# Altium PCB EVK-NORA-W40.PcbDoc (part 3 of 5) (continued)
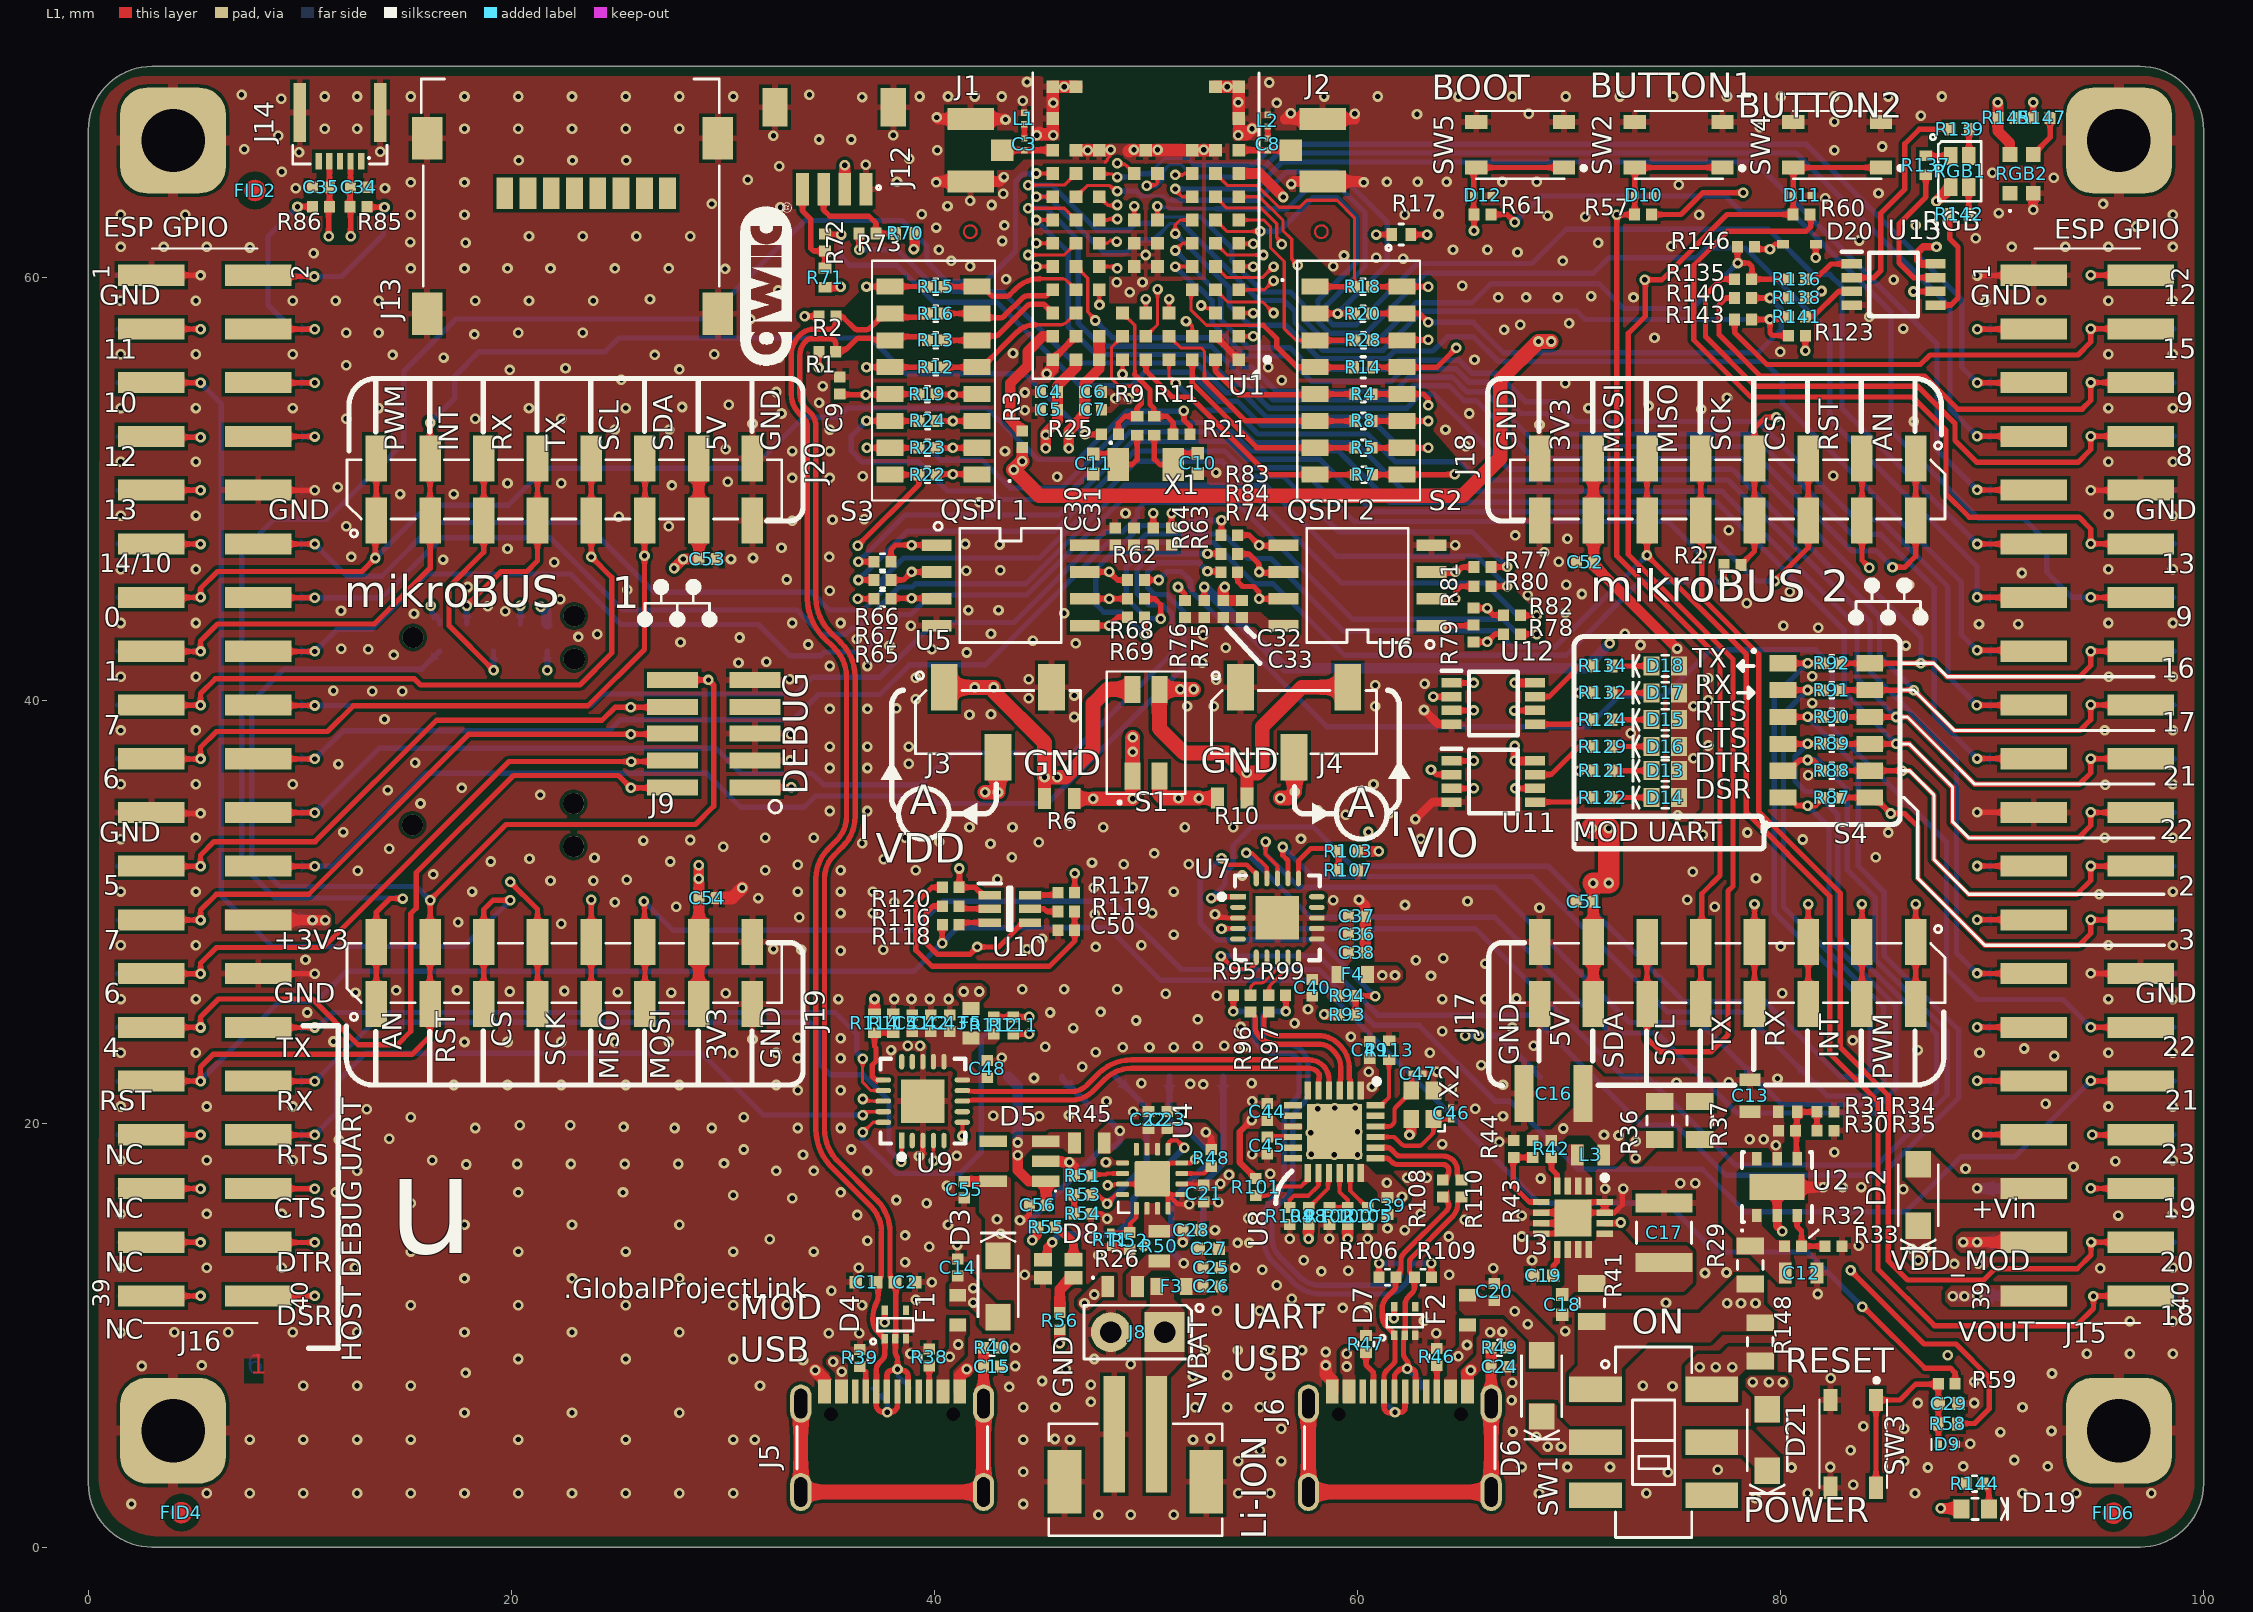
[diagram p0: L1 view]
## Nets (pads, with @x,y where several pads share a name; then routed paths per layer and width w, separated by ;. In a path a pad name is that pad's centre, name@x,y a point inside that pad or via, vN(x,y) a via of type N, cw(c..) or ccw(c..) an arc to the next point about the centre after c; other vN are vias at no path point) (continued)
  L4 w0.15: v1(47.803,58.725) 48.888,57.64 50.63,57.64 52.975,59.985 52.975,61.73 56.595,65.349 71.339,65.349 73.685,63.003 73.685,61.671 74.625,60.731 74.625,47.396 79.319,42.702 81.717,42.702 83.083,41.336 83.083,37.617 85.077,35.624 85.788,35.624 86.462,34.95 86.462,33.503 85.776,32.817 85.776,23.014 v1(89.292,19.498)
  L6 w0.25: v1(89.292,19.498) 89.296,19.494 90.396,19.494 TP77.1@90.4,19.49
D8: R15.2 S3.8 U1.D8 | length 6.9
  L1 w0.15: 44.976,59.965 45.998,59.965 cw(c45.998,59.561) 46.283,59.847 ; 46.283,59.847 U1.D8@46.69,59.44
  L1 w0.25: R15.2@40.459,59.588 41.997,59.588 S3.8@42.002,59.593 42.195,59.593 cw(c42.195,59.443) 42.301,59.55 42.646,59.204 ; 42.647,59.204 ccw(c42.823,59.381) 42.823,59.131 43.381,59.131 ccw(c43.381,59.381) 43.558,59.204 43.855,59.501 cw(c44.974,58.382) 44.976,59.965
D8/IO12: J15.2 R57.1 TP45.1 | length 32.4
  L1 w0.25: R57.1@73.908,63 75.294,63 76.327,64.033 v1(78.232,64.033) ; v1@94.844,60.138 94.852,60.13 J15.2@97.025,60.13
  L4 w0.15: v1(78.232,64.033) 79.781,64.033 81.356,62.459 84.303,62.459 88.087,58.674 88.087,57.48 88.798,56.769 91.297,56.769 v1(94.666,60.138)
  L6 w0.15: v1(94.666,60.138) v1@94.674,60.13
  L6 w0.25: v1@94.674,60.13 TP45.1@98.6,60.13
D8/IO12/SW1: D10.1 J17.5 R15.1 R57.2 S3.9 SW2.1 SW2.2 | length 94.1
  L1 w0.25: v1(36.787,59.593) S3.9@37.902,59.593 39.654,59.593 R15.1@39.659,59.588 ; R57.2@73.091,63.017 73.065,62.992 v1(72.263,62.992) 72.263,46.862 77.14,41.985 77.14,31.75 76.276,30.886 76.276,28.651 J17.5@76.23,28.605 J17.5@76.23,25.675 ; R57.2@73.108,63 73.108,63.895 D10.1@73.113,63.9 73.113,65.215 SW2.2@73.109,65.219 SW2.1@77.259,65.219
  L4 w0.15: v1(36.787,59.593) 39.103,57.277 46.152,57.277 48.514,54.915 49.682,54.915 53.325,58.557 53.325,61.656 56.69,65.02 70.235,65.02 v1(72.263,62.992)
D9: R16.2 S3.7 U1.D9 | length 5.7
  L1 w0.255: R16.2@40.459,58.318 S3.7@41.997,58.318 ; S3.7@42.002,58.323 42.132,58.193 ccw(c42.312,58.374) 42.312,58.119 43.115,58.119 ccw(c43.115,58.374) 43.294,58.193 44.137,59.036 cw(c44.425,58.75) 44.425,59.155 45.18,59.155 cw(c45.18,58.75) 45.191,59.155 ccw(c45.199,59.41) 45.379,59.229 U1.D9@45.59,59.44
D9/IO12: J16.7 R2.2 TP91.1 | length 37.9
  L1 w0.25: J16.7@2.975,52.51 3.012,52.473 v1(5.3,52.473) ; v1(33.858,58.191) R2.2@34.534,58.191
  L4 w0.15: v1(5.3,52.473) 5.964,53.137 10.766,53.137 12.192,54.563 30.23,54.563 v1(33.858,58.191)
  L6 w0.25: TP91.1@1.4,52.51 1.418,52.492 5.282,52.492 v1(5.3,52.473)
D9/IO12/USB_n: C1.1 D4.1 J5.A7 J5.B7 R2.1 R16.1 S3.10 TP2.1 | length 64.3
  L1 w0.255: 35.05,18.048 cw(c36.966,19.764) 34.394,19.764 34.394,19.769 34.394,31.608 cw(c36.366,31.609) 34.974,33.007 35.369,33.401 ccw(c34.242,34.534) 35.839,34.534 35.839,41.146 ccw(c33.972,41.148) 35.288,42.473 34.707,43.054 cw(c34.991,43.343) 34.694,43.068 cw(c36.73,44.912) 33.989,45.106 ccw(c33.735,45.124) 33.99,45.124 33.99,52.975 ccw(c33.463,52.976) 33.833,53.352 33.623,53.562 cw(c34.563,54.509) 33.228,54.512 33.228,56.337 cw(c34.558,56.341) 33.57,57.231 ccw(c33.38,57.402) 33.577,57.24 cw(c34.297,56.653) 34.297,57.582 34.298,57.582 35.046,57.582 ccw(c35.045,57.837) 35.292,57.771 ccw(c34.884,57.88) 35.306,57.88 35.306,58.163 R2.1@35.334,58.191 35.531,58.191 cw(c35.531,57.936) 35.71,58.117 36.198,57.63 36.199,57.629 ccw(c36.378,57.81) 36.377,57.555 36.748,57.555 ccw(c36.747,57.81) 36.804,57.562 ccw(c36.718,57.931) 36.987,57.663 37.647,58.323 S3.10@37.902,58.323 38.085,58.141 39.481,58.141 R16.1@39.659,58.318 ; 35.051,18.047 ccw(c35.349,18.321) 35.064,18.033 cw(c34.885,17.852) 35.067,18.03 36.994,16.104 cw(c35.768,14.891) 37.492,14.894 37.492,14.889 cw(c35.768,14.891) 37.492,14.887 ccw(c37.897,14.887) 37.492,14.885 37.492,12.948 ; 37.492,12.947 ccw(c38.318,12.936) 37.492,12.925 37.492,12.867 cw(c37.238,12.889) 37.419,12.71 C1.1@37.232,12.522 37.338,12.416 37.338,11.923 cw(c36.367,11.923) 37.273,11.574 ccw(c37.501,11.416) 37.237,11.501 cw(c36.997,11.663) 37.221,11.479 ccw(c38.881,10.792) 37.084,10.792 37.084,10.721 ccw(c37.84,10.721) 37.305,10.186 D4.1@37.613,9.878 ; D4.1@37.651,9.878 D4.1@37.651,9.841 37.651,9.161 cw(c37.197,9.161) 37.518,8.84 37.389,8.712 ccw(c37.726,8.375) 37.25,8.375 J5.B7@37.25,7.355 37.25,6.674 ccw(c37.58,6.707) 37.58,6.375 v1(37.77,6.375) 37.87,6.375 ccw(c37.908,6.715) 38.25,6.715 J5.A7@38.25,7.355
  L6 w0.2: TP2.1@37.084,7.493 37.77,6.807 v1(37.77,6.375)
DC_ind: L3.1 U3.1 U3.2 U3.3
DSR: R122.1 U11.5 | length 2.8
  L1 w0.25: U11.5@68.396,35.22 70.323,35.22 70.536,35.433 R122.1@71.15,35.433
DTR: R121.1 U11.2 | length 9.5
  L1 w0.25: v1(63.475,36.754) 63.708,36.52 U11.2@64.446,36.52 ; v1(70.485,36.703) R121.1@71.15,36.703
  L4 w0.15: v1(63.475,36.754) 64.414,37.694 65.964,37.694 66.962,36.695 70.477,36.695 v1(70.485,36.703)
E1/SPI2_CS0: R78.2 R79.2 U1.E1 | length 31.4
  L1 w0.15: U1.E1@54.39,60.54 v1(55.07,60.54)
  L1 w0.25: R79.2@65.484,42.793 v1(66.129,42.793) 66.507,43.17 66.895,43.17 R78.2@66.906,43.159
  L3 w0.15: v1(55.07,60.54) 55.473,60.137 cw(c55.28,59.944) 55.553,59.944 55.553,59.739 ccw(c55.802,59.739) 55.625,59.564 55.753,59.436 ; 55.754,59.435 ccw(c55.937,59.62) 55.937,59.36 56.055,59.36 cw(c56.055,59.046) 56.277,59.268 59.787,55.758 cw(c59.347,55.317) 59.969,55.317 59.969,52.899 ccw(c60.621,52.899) 60.16,52.438 61.023,51.575 cw(c58.054,48.603) 62.255,48.603 62.255,44.575 cw(c61.954,44.575) 62.168,44.362 61.862,44.056 cw(c61.646,44.272) 61.861,44.056 cw(c61.646,44.272) 61.646,43.967 60.097,43.967 ccw(c60.097,43.576) 59.82,43.853 59.688,43.721 ccw(c59.929,43.48) 59.588,43.48 59.588,43.253 ccw(c59.953,43.255) 59.693,42.999 59.815,42.877 ccw(c60.021,43.087) 60.021,42.793 v1(66.129,42.793)
E1_O: J16.18 R78.1 TP102.1 | length 69.1
  L1 w0.25: J16.18@8,39.796 8.008,39.788 v1(10.7,39.788) ; R78.1@67.706,43.159 v1(68.474,43.159)
  L6 w0.25: TP102.1@9.6,39.81 9.611,39.799 10.689,39.799 v1(10.7,39.788) 23.76,39.788 24.308,40.335 33.452,40.335 34.244,41.127 37.419,41.127 40.001,43.709 43.76,43.709 48.057,48.006 48.914,48.006 49.601,48.693 49.601,49.043 49.958,49.399 54.233,49.399 59.768,43.864 66.88,43.864 67.585,43.159 v1(68.474,43.159)
E2/SPI2_MISO: R80.1 U1.E2 U6.2 | length 25.3
  L1 w0.15: U1.E2@53.29,60.54 53.815,60.015 55.502,60.015 56.027,60.54 v1(56.032,60.54)
  L1 w0.25: U6.2@63.819,44.833 v1(64.616,44.833) 64.643,44.86 64.643,45.161 64.905,45.423 R80.1@65.503,45.423
  L3 w0.15: v1@56.152,60.495 56.152,60.426 60.659,55.918 ; 60.66,55.917 cw(c60.363,55.621) 60.782,55.621 60.782,53.531 ccw(c61.489,53.531) 60.989,53.031 65.358,48.663 ; v1(64.616,44.833) ccw(c64.616,45.922) 65.216,45.013 65.248,45.045 ccw(c64.624,45.669) 65.507,45.669 65.507,48.304 ccw(c65.001,48.305) 65.358,48.662
E2_O: J16.14 R80.2 TP98.1 | length 68.9
  L1 w0.25: J16.14@8.025,44.89 8.033,44.882 v1(10.7,44.882) ; R80.2@66.303,45.423 v1(67.071,45.423)
  L6 w0.25: TP98.1@9.6,44.89 9.604,44.886 10.696,44.886 v1(10.7,44.882) 13.868,44.882 16.709,47.722 21.823,47.722 25.248,44.298 33.503,44.298 34.641,43.159 35.807,43.159 36.103,43.455 36.394,43.455 38.324,45.385 38.948,45.385 39.105,45.542 44.318,45.542 48.975,50.199 55.668,50.199 59.025,46.842 65.653,46.842 v1(67.071,45.423)
E3/RMII_RXD1: J15.19 TP63.1 U1.E3 | length 56.8
  L1 w0.15: v1@51.41,60.503 51.447,60.54 U1.E3@52.19,60.54
  L1 w0.25: v1(89.292,37.278) 91.967,37.278 J15.19@91.975,37.27
  L6 w0.25: v1(51.384,60.54) 52.403,59.521 52.53,59.521 53.132,58.919 53.132,57.864 54.689,56.307 56.639,56.307 57.829,55.118 61.595,55.118 62.181,55.704 64.648,55.704 65.277,55.075 66.235,55.075 67.721,53.59 68.961,53.59 69.923,52.627 78.64,52.627 83.388,47.879 84.734,47.879 87.274,45.339 87.274,39.296 89.296,37.274 90.371,37.274 TP63.1@90.375,37.27
E7_O: J15.31 TP75.1 U1.E7 | length 83.6
  L1 w0.15: U1.E7@47.79,60.54 48.553,60.54 v1(48.641,60.452)
  L1 w0.25: v1(89.292,22.038) 91.967,22.038 J15.31@91.975,22.03
  L4 w0.15: v1(48.641,60.452) 48.726,60.452 48.904,60.274 50.503,60.274 51.057,59.72 51.813,59.72 52.675,60.582 52.675,61.854 56.47,65.649 71.561,65.649 75.54,61.671 75.54,48.616 79.604,44.552 81.636,44.552 84.074,42.113 84.074,37.338 85.488,35.924 85.996,35.924 86.995,34.925 86.995,24.335 v1(89.292,22.038)
  L6 w0.25: v1(89.292,22.038) 89.296,22.034 90.396,22.034 TP75.1@90.4,22.03
E8/IO2/WAKE_HOST: J15.24 J18.1 R88.2 S4.8 TP67.1 U1.E8 | length 85.3
  L1 w0.15: U1.E8@46.69,60.54 47.244,59.986 47.244,58.395 47.6,58.039 v1(47.6,57.988)
  L1 w0.25: R88.2@82.823,36.703 S4.8@84.219,36.703 v1(85.75,36.703) 86.106,36.703 87.249,35.56 87.249,32.512 88.9,30.861 94.005,30.861 94.666,31.522 v1(94.666,32.198) ; v1(85.293,46.33) 85.877,46.33 86.39,46.842 J18.1@86.39,48.535 J18.1@86.39,51.465 ; v1@94.877,32.19 J15.24@97.025,32.19
  L4 w0.15: v1(85.293,46.33) 85.293,41.199 84.684,40.589 84.684,37.77 v1(85.75,36.703)
  L6 w0.25: v1(47.6,57.988) 48.411,57.177 53.253,57.177 54.652,55.778 55.03,55.778 56.173,54.636 61.748,54.636 62.416,55.304 64.483,55.304 65.162,54.625 66,54.625 68.591,52.033 78.446,52.033 83.388,47.092 84.543,47.092 85.293,46.341 v1(85.293,46.33) ; v1(94.666,32.198) 94.674,32.19 TP67.1@98.6,32.19
E9: R19.2 S3.4 U1.E9 | length 10.4
  L1 w0.15: v1(44.806,60.54) U1.E9@45.59,60.54
  L1 w0.25: R19.2@40.065,54.508 40.091,54.483 41.972,54.483 S3.4@42.002,54.513
  L3 w0.15: v1(40.871,54.483) 40.871,55.971 cw(c41.517,55.971) 40.981,56.331 cw(c41.105,56.246) 40.987,56.338 cw(c42.748,54.955) 41.056,56.423 cw(c41.169,56.324) 41.062,56.429 44.589,59.956 ; 44.589,59.956 ccw(c44.065,60.479) 44.806,60.479 v1(44.806,60.54)
E9/IO14/IO10: C9.2 J16.11 R19.1 S3.13 TP94.1 | length 44.3
  L1 w0.25: J16.11@3,47.426 3.008,47.418 5.139,47.418 v1@5.148,47.426 ; C9.2@35.512,54.515 35.544,54.483 v1(36.757,54.483) 37.872,54.483 S3.13@37.902,54.513 37.907,54.508 R19.1@39.265,54.508
  L4 w0.15: v1(5.3,47.418) 8.659,50.777 12.169,50.777 12.573,51.181 31.115,51.181 32.487,52.553 33.858,52.553 34.922,53.617 35.89,53.617 v1(36.757,54.483)
  L6 w0.25: TP94.1@1.4,47.43 1.439,47.391 1.471,47.424 5.241,47.424 5.274,47.391 v1(5.3,47.418)
F1/SPI2_CLK: R84.2 U1.F1 U6.6 | length 31.1
  L1 w0.15: U1.F1@54.39,61.64 54.41,61.62 v1(55.07,61.62) v1@55.093,61.62
  L1 w0.25: R84.2@54.336,46.952 54.876,46.952 55.347,46.482 55.347,46.132 55.314,46.099 v1(55.347,46.099) 55.391,46.055 U6.6@56.178,46.055
  L3 w0.15: 53.183,59.923 cw(c53.357,60.096) 53.111,60.096 53.111,60.276 cw(c53.476,60.276) 53.218,60.533 ; 53.183,59.923 ccw(c53.378,60.118) 53.378,59.842 54.062,59.842 cw(c54.062,59.401) 54.374,59.713 55.444,58.644 cw(c55.189,58.389) 55.549,58.389 55.549,57.432 ccw(c56.289,57.432) 55.766,56.909 56.667,56.007 56.763,55.911 cw(c56.321,55.468) 56.947,55.468 56.947,54.93 cw(c56.296,54.93) 56.757,54.471 55.833,53.547 ccw(c56.523,52.86) 55.549,52.86 55.549,48.809 cw(c55.081,48.809) 55.412,48.478 55.016,48.082 ccw(c55.375,47.724) 54.868,47.724 54.868,47.16 ccw(c55.288,47.16) 54.991,46.863 ccw(c55.298,47.17) 55.298,46.736 58.713,46.736 cw(c58.713,46.217) 59.082,46.581 59.148,46.516 cw(c58.883,46.25) 59.258,46.25 59.258,46.193 59.258,46.105 59.258,46.049 cw(c58.915,46.049) 59.158,45.806 59.068,45.716 cw(c58.832,45.952) 58.829,45.618 56.083,45.618 cw(c56.083,46.235) 55.648,45.799 ; 53.218,60.533 54.138,61.453 cw(c54.542,61.048) 54.542,61.62 v1(55.07,61.62) v1@55.093,61.62 ; v1(55.347,46.099) 55.647,45.799
F1_BP_USB_N: R99.1 R106.1 | length 24.1
  L1 w0.25: R99.1@56.603,26.092 56.615,26.079 v1@56.615,25.279 ; v1(61.019,13.41) 61.019,12.757 R106.1@61.025,12.751
  L6 w0.255: 55.587,23.991 ccw(c55.82,24.194) 55.594,23.983 cw(c55.299,23.706) 55.618,23.956 ccw(c56.04,24.28) 56.042,23.748 56.32,23.748 cw(c56.323,22.45) 56.324,23.748 ; 55.586,23.992 cw(c55.779,24.159) 55.524,24.157 55.524,25.049 cw(c55.779,25.048) 55.546,25.151 cw(c55.812,25.033) 55.812,25.324 v1(56.615,25.324) ; 56.31,16.228 56.304,16.223 ccw(c57.154,15.379) 55.956,15.382 55.956,14.624 ccw(c57.254,14.627) 56.331,13.714 57.251,12.794 ; 56.31,16.229 56.566,16.484 ccw(c56.087,16.964) 56.567,16.485 ccw(c55.653,17.399) 56.945,17.399 56.945,20.268 cw(c57.468,20.266) 57.097,20.634 57.353,20.89 ccw(c56.625,21.623) 57.656,21.568 ccw(c57.402,21.581) 57.657,21.581 57.657,22.739 ; 56.325,23.748 56.614,23.748 ccw(c56.605,24.002) 56.624,23.748 cw(c56.706,22.847) 57.344,23.489 57.347,23.486 cw(c56.604,22.74) 57.657,22.74 ; 57.252,12.794 57.259,12.787 ccw(c58.27,13.805) 58.268,12.37 61.35,12.37 ccw(c61.35,13.023) 61.812,12.562 ; v1(61.019,13.41) 61.794,13.41 cw(c61.794,13.151) 61.977,13.334 cw(c61.794,13.152) 62.052,13.152 62.052,12.943 cw(c61.712,12.943) 61.953,12.702 61.813,12.562
F1_BP_USB_P: R95.1 R109.1 | length 25.2
  L1 w0.25: v1(54.127,25.324) 54.127,26.08 R95.1@54.139,26.092 ; v1(63.483,13.41) 63.483,12.757 R109.1@63.489,12.751
  L6 w0.255: v1(54.127,25.324) 54.864,25.324 cw(c54.864,25.069) 55.119,25.069 55.119,24.353 cw(c54.864,24.354) 55.116,24.313 ; 55.116,24.312 ccw(c55.82,24.194) 55.293,23.713 cw(c55.104,23.541) 55.304,23.699 ccw(c56.04,24.28) 56.041,23.343 56.751,23.343 cw(c56.75,23.088) 56.78,23.341 cw(c56.712,22.784) 56.793,23.339 cw(c56.755,23.087) 56.806,23.337 cw(c56.706,22.847) 57.062,23.198 ; 56.54,20.265 56.54,17.399 cw(c55.653,17.399) 56.282,16.774 56.023,16.515 ccw(c57.154,15.379) 55.551,15.379 55.551,14.627 ccw(c57.254,14.627) 56.055,13.418 56.966,12.507 ccw(c58.27,13.805) 58.27,11.965 61.35,11.965 ccw(c61.35,13.023) 62.101,12.278 62.237,12.414 ccw(c61.712,12.943) 62.457,12.943 62.457,13.15 ccw(c62.202,13.151) 62.457,13.152 cw(c62.712,13.155) 62.712,13.41 v1(63.483,13.41) ; 56.54,20.266 cw(c57.468,20.266) 56.81,20.919 ; 56.81,20.92 57.065,21.175 cw(c57.353,20.89) 57.067,21.177 ccw(c56.625,21.623) 57.251,21.575 ccw(c56.997,21.594) 57.252,21.594 57.252,22.738 ccw(c56.604,22.74) 57.252,22.739 ccw(c56.604,22.74) 57.063,23.197
F1_O: J16.22 R84.1 TP105.1 | length 58.2
  L1 w0.25: J16.22@8.025,34.73 8.033,34.722 v1(10.7,34.722) ; v1@52.857,46.965 v1(52.908,46.965) 53.523,46.965 R84.1@53.536,46.952
  L6 w0.25: TP105.1@9.6,34.73 9.604,34.726 10.696,34.726 v1(10.7,34.722) 13.748,37.77 29.659,37.77 30.852,36.576 34.214,36.576 34.747,36.043 39.345,36.043 40.843,37.541 46.533,37.541 51.227,42.236 51.227,44.11 50.786,44.552 50.114,44.552 49.581,45.085 49.581,46.228 50.317,46.965 v1(52.908,46.965)
F1_USB_N: R97.1 U8.2 | length 7
  L1 w0.25: R97.1@55.803,25.292 55.788,25.292 55.648,25.153 ccw(c55.825,24.976) 55.575,24.976 55.575,24.568 ccw(c55.825,24.57) 55.609,24.445 ccw(c55.92,24.626) 55.749,24.309 55.752,24.308 ccw(c56.289,25.34) 56.278,24.176 58.255,24.176 cw(c58.255,23.926) 58.279,24.175 cw(c58.15,22.837) 59.188,23.691 cw(c58.174,22.678) 59.28,23.589 cw(c58.174,22.678) 59.607,22.68 cw(c58.174,22.678) 59.607,22.678 59.607,22.544 59.607,22.13 59.653,22.085 U8.2@59.653,21.584
F1_USB_P: R96.1 U8.3 | length 7
  L1 w0.25: R96.1@54.939,25.292 55.051,25.18 55.096,25.135 cw(c54.919,24.958) 55.169,24.958 55.169,24.508 ccw(c55.92,24.626) 55.555,23.959 ccw(c55.92,24.626) 55.557,23.958 ccw(c56.289,25.34) 55.56,23.956 ccw(c56.289,25.34) 56.277,23.776 ; 56.278,23.776 58.248,23.776 cw(c58.15,22.837) 58.889,23.425 cw(c58.15,22.837) 58.898,23.413 cw(c58.209,22.691) 58.973,23.334 cw(c58.174,22.678) 59.207,22.683 59.207,22.123 59.178,22.094 59.178,21.609 U8.3@59.153,21.584
F2/SPI2_HD: R74.1 U1.F2 U6.7 | length 31.2
  L1 w0.15: U1.F2@53.29,61.64 53.843,61.087 v1(55.553,61.087) v1@55.575,61.087
  L1 w0.25: R74.1@54.336,46.089 54.336,45.641 54.562,45.415 55.093,45.415 55.347,45.161 v1(55.347,44.829) U6.7@56.178,44.829
  L3 w0.15: 54.616,60.915 ccw(c54.875,60.656) 54.508,60.656 54.508,60.402 ccw(c54.878,60.402) 54.617,60.14 55.791,58.966 ccw(c55.944,59.119) 55.944,58.903 56.049,58.903 cw(c56.049,58.656) 56.223,58.83 59.359,55.694 cw(c58.929,55.264) 59.538,55.264 59.538,52.569 ccw(c60.007,52.569) 59.674,52.238 ; 54.616,60.915 54.707,61.006 cw(c54.902,60.811) 54.902,61.087 v1(55.553,61.087) ; v1(55.347,44.829) ccw(c56.508,45.99) 56.508,44.348 ; 56.509,44.348 59.008,44.348 ccw(c59.01,46.692) 60.664,45.032 ; 59.675,52.237 60.586,51.326 cw(c57.54,48.278) 61.849,48.278 61.849,47.611 cw(c58.451,47.611) 60.671,45.039 ccw(c60.77,44.926) 60.665,45.032
F2_O: J16.24 R74.2 TP107.1 | length 59.8
  L1 w0.25: J16.24@8.025,32.19 8.033,32.182 v1(10.7,32.182) ; v1(52.908,46.126) 53.498,46.126 R74.2@53.536,46.089
  L6 w0.25: TP107.1@9.625,32.19 9.629,32.186 10.696,32.186 v1(10.7,32.182) 11.532,32.182 15.934,36.585 29.227,36.585 30.836,34.976 33.833,34.976 34.366,35.509 39.776,35.509 40.128,35.158 45.343,35.158 51.791,41.605 51.791,44.221 50.978,45.034 50.394,45.034 50.068,45.36 50.068,46.105 50.495,46.533 52.502,46.533 v1(52.908,46.126)
F2_USB_N: U8.4 U9.9 | length 18.9
  L1 w0.2: U9.9@41.315,21.582 41.575,21.582 41.617,21.539 41.859,21.539
  L1 w0.25: 41.859,21.539 46.506,21.539 ccw(c46.503,22.513) 47.192,21.824 47.748,22.381 ; 47.749,22.381 cw(c49.316,20.818) 49.316,23.031 57.712,23.031 cw(c57.715,22.099) 58.572,22.468 cw(c57.642,22.069) 58.652,22.115 cw(c58.403,22.105) 58.653,22.106 U8.4@58.653,21.584
F2_USB_P: U8.5 U9.8 | length 18.3
  L1 w0.2: U9.8@41.315,21.082 41.575,21.082 41.625,21.133 41.859,21.133
  L1 w0.25: 41.859,21.133 46.488,21.133 ccw(c46.488,22.529) 47.475,21.542 48.032,22.099 ; 48.033,22.1 cw(c49.316,20.818) 49.316,22.631 57.71,22.631 ; 57.711,22.631 cw(c57.715,22.099) 58.167,22.381 cw(c57.955,22.249) 58.186,22.154 58.172,22.119 ccw(c58.403,22.023) 58.153,22.024 U8.5@58.153,21.584
F3/RMII_RXD0: J15.17 TP61.1 U1.F3 | length 55
  L1 w0.15: v1(51.384,61.3) 51.724,61.64 U1.F3@52.19,61.64
  L1 w0.25: v1(89.281,39.802) J15.17@91.944,39.802
  L6 w0.25: v1(51.384,61.3) 53.532,59.152 53.532,58.029 54.854,56.707 56.805,56.707 57.836,55.677 61.519,55.677 61.946,56.104 64.814,56.104 65.418,55.5 66.598,55.5 67.945,54.153 69.351,54.153 70.291,53.213 78.943,53.213 83.591,48.565 84.76,48.565 87.909,45.415 87.909,41.173 v1(89.281,39.802) 89.285,39.806 90.396,39.806 TP61.1@90.4,39.81
F7: R22.2 S3.1 U1.F7 | length 18.1
  L1 w0.15: U1.F7@47.79,61.64 48.164,61.64 48.296,61.773 48.565,61.773 v1(48.616,61.722)
  L1 w0.25: R22.2@40.071,50.698 40.097,50.724 41.981,50.724 S3.1@42.002,50.703
  L3 w0.15: v1(40.871,50.724) 41.722,51.574 ; 41.722,51.575 ccw(c41.329,51.967) 41.885,51.967 41.885,56.557 cw(c42.518,56.557) 42.07,57.005 ; 42.07,57.005 46.623,61.559 cw(c47.14,61.042) 47.14,61.773 48.565,61.773 v1(48.616,61.722)
F7/IO9: J15.14 R61.1 TP58.1 | length 47.1
  L1 w0.25: R61.1@66.313,63 67.073,63 v1(67.437,62.636) ; v1@94.877,44.89 J15.14@97.025,44.89
  L6 w0.25: v1(67.437,62.636) 68.676,63.875 77.4,63.875 78.156,63.119 80.493,63.119 85.22,58.392 85.22,52.779 89.357,48.641 91.491,48.641 92.583,47.549 92.583,46.101 93.786,44.898 v1(94.666,44.898) 94.67,44.894 98.596,44.894 TP58.1@98.6,44.89
F7/IO9/BOOTn: D12.1 R22.1 R61.2 R117.1 S3.16 SW5.1 SW5.2 | length 119.2
  L1 w0.25: v1(36.373,47.346) 39.271,50.244 R22.1@39.271,50.698 37.907,50.698 S3.16@37.902,50.703 ; R117.1@46.631,30.937 v1(46.631,31.848) ; v1(65.507,62.23) 65.513,62.236 65.513,62.89 65.493,62.91 D12.1@65.493,63.9 65.493,65.096 SW5.2@65.616,65.219 SW5.1@69.766,65.219
  L4 w0.15: v1(46.631,31.848) 46.152,31.369 43.942,31.369 40.644,28.071 39.671,28.071 38.938,28.804 24.359,28.804 23.292,29.87 23.292,31.42 20.599,34.112 20.599,37.211 28.981,45.593 31.928,45.593 33.68,47.346 v1(36.373,47.346) 38.1,45.618 39.395,45.618 42.85,42.164 50.14,42.164 51.181,43.205 51.181,44.094 49.632,45.644 49.632,49.555 53.925,53.849 53.925,61.407 55.205,62.687 56.617,62.687 57.582,63.652 64.084,63.652 v1(65.507,62.23)
F8: R23.2 S3.2 U1.F8 | length 16.2
  L1 w0.15: v1(44.425,61.087) 46.137,61.087 U1.F8@46.69,61.64
  L1 w0.25: R23.2@40.078,51.968 41.997,51.968 S3.2@42.002,51.973
  L3 w0.15: 40.365,54.026 40.446,53.945 ccw(c40.594,54.093) 40.448,53.943 ccw(c40.594,54.093) 40.594,53.883 ccw(c40.765,54.51) 40.765,53.861 41.013,53.861 cw(c41.013,53.565) 41.221,53.775 ; 40.365,54.026 cw(c40.744,54.405) 40.208,54.405 40.208,54.955 cw(c42.748,54.955) 40.952,56.751 43.858,59.657 ccw(c43.653,59.861) 43.942,59.861 43.942,60.443 cw(c44.332,60.443) 44.056,60.718 v1(44.425,61.087) ; v1(40.871,51.968) 41.389,52.486 ; 41.222,53.774 41.406,53.59 cw(c41.233,53.416) 41.478,53.416 41.478,52.701 cw(c41.174,52.701) 41.39,52.487
F8/IO21/URT0_RTS: J15.20 J17.1 R23.1 R90.2 S3.15 S4.10 TP64.1 | length 95.2
  L1 w0.25: v1(36.807,51.968) 37.897,51.968 S3.15@37.902,51.973 37.907,51.968 R23.1@39.278,51.968 ; R90.2@82.823,39.243 S4.10@84.219,39.243 v1(85.471,39.243) 86.004,39.243 89.179,36.068 94.132,36.068 94.666,36.602 v1(94.666,37.278) ; J17.1@86.39,25.675 J17.1@86.39,28.605 v1(86.39,30.399) ; v1@94.877,37.27 J15.20@97.025,37.27
  L3 w0.15: v1(85.471,39.243) 86.55,38.164 86.55,34.275 85.725,33.45 85.725,31.064 v1(86.39,30.399)
  L6 w0.25: v1(36.807,51.968) 39.726,51.968 40.31,51.384 42.266,51.384 43.582,50.068 46.015,50.068 49.11,53.162 54.199,53.162 55.137,52.224 59.917,52.224 62.23,49.911 77.241,49.911 83.617,43.536 83.617,41.097 v1(85.471,39.243) ; v1(94.666,37.278) 94.674,37.27 TP64.1@98.625,37.27
F9: R24.2 S3.3 U1.F9 | length 13.9
  L1 w0.15: v1@44.933,61.646 44.938,61.64 U1.F9@45.59,61.64
  L1 w0.25: R24.2@40.071,53.238 v1(40.871,53.238) 41.997,53.238 S3.3@42.002,53.243
  L3 w0.15: v1(40.871,53.238) cw(c40.871,54.104) 40.26,53.492 40.14,53.612 cw(c40.956,54.428) 39.802,54.428 39.802,55.361 cw(c42.342,55.361) 40.546,57.157 42.395,59.007 ccw(c41.788,59.614) 42.647,59.614 cw(c43.566,59.614) 42.916,60.264 44.211,61.559 cw(c44.406,61.365) 44.406,61.64 v1(44.806,61.64) v1@44.927,61.64
F9/IO22/URT0_CTS: J15.22 J17.2 R24.1 R89.2 S3.14 S4.9 TP65.1 | length 98.4
  L1 w0.25: v1(36.787,53.243) S3.14@37.902,53.243 37.907,53.238 R24.1@39.271,53.238 ; R89.2@82.823,37.973 S4.9@84.219,37.973 v1(85.471,37.973) 86.081,37.973 88.138,35.916 88.138,34.265 88.875,33.528 94.082,33.528 94.666,34.112 v1(94.666,34.738) ; J17.2@83.85,25.675 J17.2@83.85,28.605 v1(83.85,30.399) ; v1@94.877,34.73 J15.22@97.025,34.73
  L3 w0.15: v1(83.85,30.399) 83.82,30.429 83.82,36.246 v1@85.547,37.973
  L6 w0.25: v1(36.787,53.243) 36.068,52.524 36.068,51.816 36.576,51.308 39.243,51.308 40.619,49.932 42.676,49.932 43.078,49.53 46.043,49.53 49.244,52.73 54.065,52.73 54.971,51.824 59.098,51.824 61.519,49.403 76.965,49.403 83.007,43.361 83.007,40.437 v1(85.471,37.973) ; v1@85.509,38.011 v1@85.547,37.973 ; v1(94.666,34.738) 94.674,34.73 TP65.1@98.625,34.73
G1: R28.1 S2.3 U1.G1 | length 10.3
  L1 w0.15: U1.G1@54.39,62.74 55.573,62.74 55.879,62.434 55.879,61.438 56.54,60.777 56.54,57.607 57.095,57.053 S2.3@57.998,57.053
  L1 w0.25: S2.3@57.998,57.053 59.872,57.053 R28.1@59.877,57.048
G1/IO7/JT_MTDO: J9.6 J11.6 J16.25 R28.2 S2.14 TP109.1 | length 99.5
  L1 w0.25: J16.25@2.975,29.65 v1@5.123,29.65 ; v1@5.131,29.642 v1@5.334,29.642 ; v1(5.3,29.642) 5.3,30.116 6.045,30.861 10.414,30.861 17.984,38.431 v1(25.646,38.431) ; v1@25.649,38.431 27.594,38.431 J9.6@27.618,38.456 ; R28.2@60.677,57.048 62.094,57.048 62.119,57.074 v1@63.325,57.074
  L3 w0.15: v1(21.692,41.453) 24.713,38.431 v1(25.646,38.431)
  L4 w0.15: v1(25.646,38.431) 24.663,37.448 24.663,35.281 25.908,34.036 33.02,34.036 34.544,35.56 41.148,35.56 41.631,35.077 45.669,35.077 46.584,35.992 51.765,35.992 60.935,45.161 60.935,54.658 63.325,57.049 v1@63.325,57.074
  L6 w0.25: TP109.1@1.4,29.65 1.404,29.646 5.296,29.646 v1(5.3,29.642) ; v1(21.692,41.453) 21.693,41.454 21.693,42.366 J11.6@21.694,42.367
  other v1: 63.35,57.074
G2/RMII_MDIO: J15.13 TP57.1 U1.G2 | length 60.5
  L1 w0.15: U1.G2@53.29,62.74 53.825,62.205 v1(55.4,62.205)
  L1 w0.25: v1(89.292,44.898) 91.967,44.898 J15.13@91.975,44.89
  L6 w0.25: v1(55.4,62.205) 56.289,62.205 57.89,63.805 59.03,63.805 59.944,62.89 59.944,60.757 58.129,58.942 58.129,57.934 58.673,57.389 60.403,57.389 63.237,60.223 71.145,60.223 71.882,60.96 76.048,60.96 76.505,61.417 78.334,61.417 82.321,57.429 82.321,53.34 89.292,46.369 v1(89.292,44.898) ; v1@89.3,44.89 TP57.1@90.375,44.89
G3/RMII_MDCLK: J15.15 TP59.1 U1.G3 | length 54.6
  L1 w0.15: v1(51.384,62.1) 51.384,62.509 51.615,62.74 U1.G3@52.19,62.74
  L1 w0.25: v1(89.292,42.401) 91.992,42.401 J15.15@92,42.393
  L6 w0.25: v1(51.384,62.1) 53.932,59.552 53.932,58.729 54.893,57.769 56.596,57.769 58.176,56.189 61.396,56.189 61.752,56.545 63.569,56.545 64.246,57.222 65.486,57.222 66.657,56.05 79.205,56.05 80.086,55.169 80.086,54.077 88.544,45.618 88.544,43.149 89.318,42.376 90.374,42.376 TP59.1@90.4,42.35
G4/RMII_CLK: J15.11 TP54.1 U1.G4 | length 63.3
  L1 w0.15: U1.G4@50.54,62.74 v1(50.54,63.398) v1@50.54,63.449
  L1 w0.25: v1(89.306,47.422) J15.11@91.947,47.422
  L6 w0.15: v1(50.54,63.398) 50.607,63.331 51.095,63.331 51.155,63.271 53.34,63.271
  L6 w0.25: 53.34,63.271 56.679,63.271 57.67,64.262 59.182,64.262 60.35,63.094 60.35,60.528 58.529,58.707 58.529,58.099 58.839,57.789 59.948,57.789 62.844,60.685 68.25,60.685 69.871,62.306 79.426,62.306 81.56,60.172 82.322,60.172 82.906,59.588 82.906,53.823 v1(89.306,47.422) 89.31,47.426 90.396,47.426 TP54.1@90.4,47.43
G5/ANT_CTRL1: J15.23 TP66.1 U1.G5 | length 73.5
  L1 w0.15: U1.G5@49.44,62.74 v1@49.44,63.385
  L1 w0.25: v1(89.292,32.198) 91.967,32.198 J15.23@91.975,32.19
  L4 w0.15: v1(49.44,63.398) 49.919,63.877 51.041,63.877 51.265,63.652 52.776,63.652 56.028,66.904 74.549,66.904 78.562,62.89 79.908,62.89 81.001,61.798 81.001,58.826 84.623,55.204 84.623,53.68 90.17,48.133 90.17,33.076 v1(89.292,32.198)
  L6 w0.25: v1(89.292,32.198) 89.296,32.194 90.396,32.194 TP66.1@90.4,32.19
G7/ANT_CTRL2: J15.25 TP69.1 U1.G7 | length 75.9
  L1 w0.15: U1.G7@47.79,62.74 47.792,62.738 48.191,62.738 48.242,62.789 v1(48.641,62.789)
  L1 w0.25: v1(89.292,29.658) 91.967,29.658 J15.25@91.975,29.65
  L4 w0.15: v1(48.641,62.789) 48.692,62.738 50.673,62.738 51.27,63.335 52.883,63.335 56.147,66.599 73.991,66.599 78.131,62.459 79.832,62.459 80.594,61.697 80.594,58.699 84.035,55.259 84.035,53.526 88.646,48.915 88.646,30.304 v1(89.292,29.658)
  L6 w0.25: v1(89.292,29.658) 89.296,29.654 90.396,29.654 TP69.1@90.4,29.65
G8/IO16/URT0_TX: J15.16 J17.4 R92.2 S4.12 TP60.1 U1.G8 | length 96.2
  L1 w0.15: v1(44.425,63.297) 46.133,63.297 U1.G8@46.69,62.74
  L1 w0.25: J17.4@78.77,25.675 J17.4@78.77,28.605 v1(78.77,30.399) ; R92.2@82.823,41.783 S4.12@84.219,41.783 v1(86.639,41.783) 87.224,41.783 87.859,41.148 94.132,41.148 94.666,41.682 v1(94.666,42.358) ; v1@94.877,42.35 J15.16@97.025,42.35
  L3 w0.15: v1(78.77,30.399) 82.55,34.179 82.55,38.608 85.725,41.783 v1(86.639,41.783)
  L6 w0.25: v1(44.425,63.297) 45.288,63.297 46.799,61.786 46.799,57.851 47.873,56.777 53.088,56.777 54.487,55.378 54.865,55.378 56.007,54.236 61.983,54.236 62.651,54.904 64.317,54.904 65.021,54.2 65.612,54.2 68.351,51.46 78.181,51.46 86.639,43.002 v1(86.639,41.783) ; v1(94.666,42.358) 94.674,42.35 TP60.1@98.625,42.35
G9/IO17/URT0_RX: J15.18 J17.3 R91.2 S4.11 TP62.1 U1.G9 | length 92.2
  L1 w0.15: v1(44.806,62.74) U1.G9@45.59,62.74
  L1 w0.25: J17.3@81.31,25.675 J17.3@81.31,28.605 v1(81.31,30.399) ; R91.2@82.823,40.513 S4.11@84.219,40.513 v1(86.309,40.513) 88.214,38.608 94.158,38.608 94.666,39.116 v1(94.666,39.818) ; v1@94.877,39.81 J15.18@97.025,39.81
  L3 w0.15: v1(81.31,30.399) 83.45,32.539 83.45,38.416 85.547,40.513 v1(86.309,40.513)
  L6 w0.25: v1(44.806,62.74) 46.33,61.216 46.33,57.683 47.636,56.377 52.665,56.377 54.064,54.978 54.699,54.978 55.842,53.836 62.308,53.836 62.976,54.504 63.62,54.504 67.171,50.952 77.724,50.952 84.675,44.001 84.675,42.147 v1(86.309,40.513) ; v1(94.666,39.818) 94.674,39.81 TP62.1@98.625,39.81